# Altium PCB тройничок.PcbDoc (part 2 of 5) (continued)
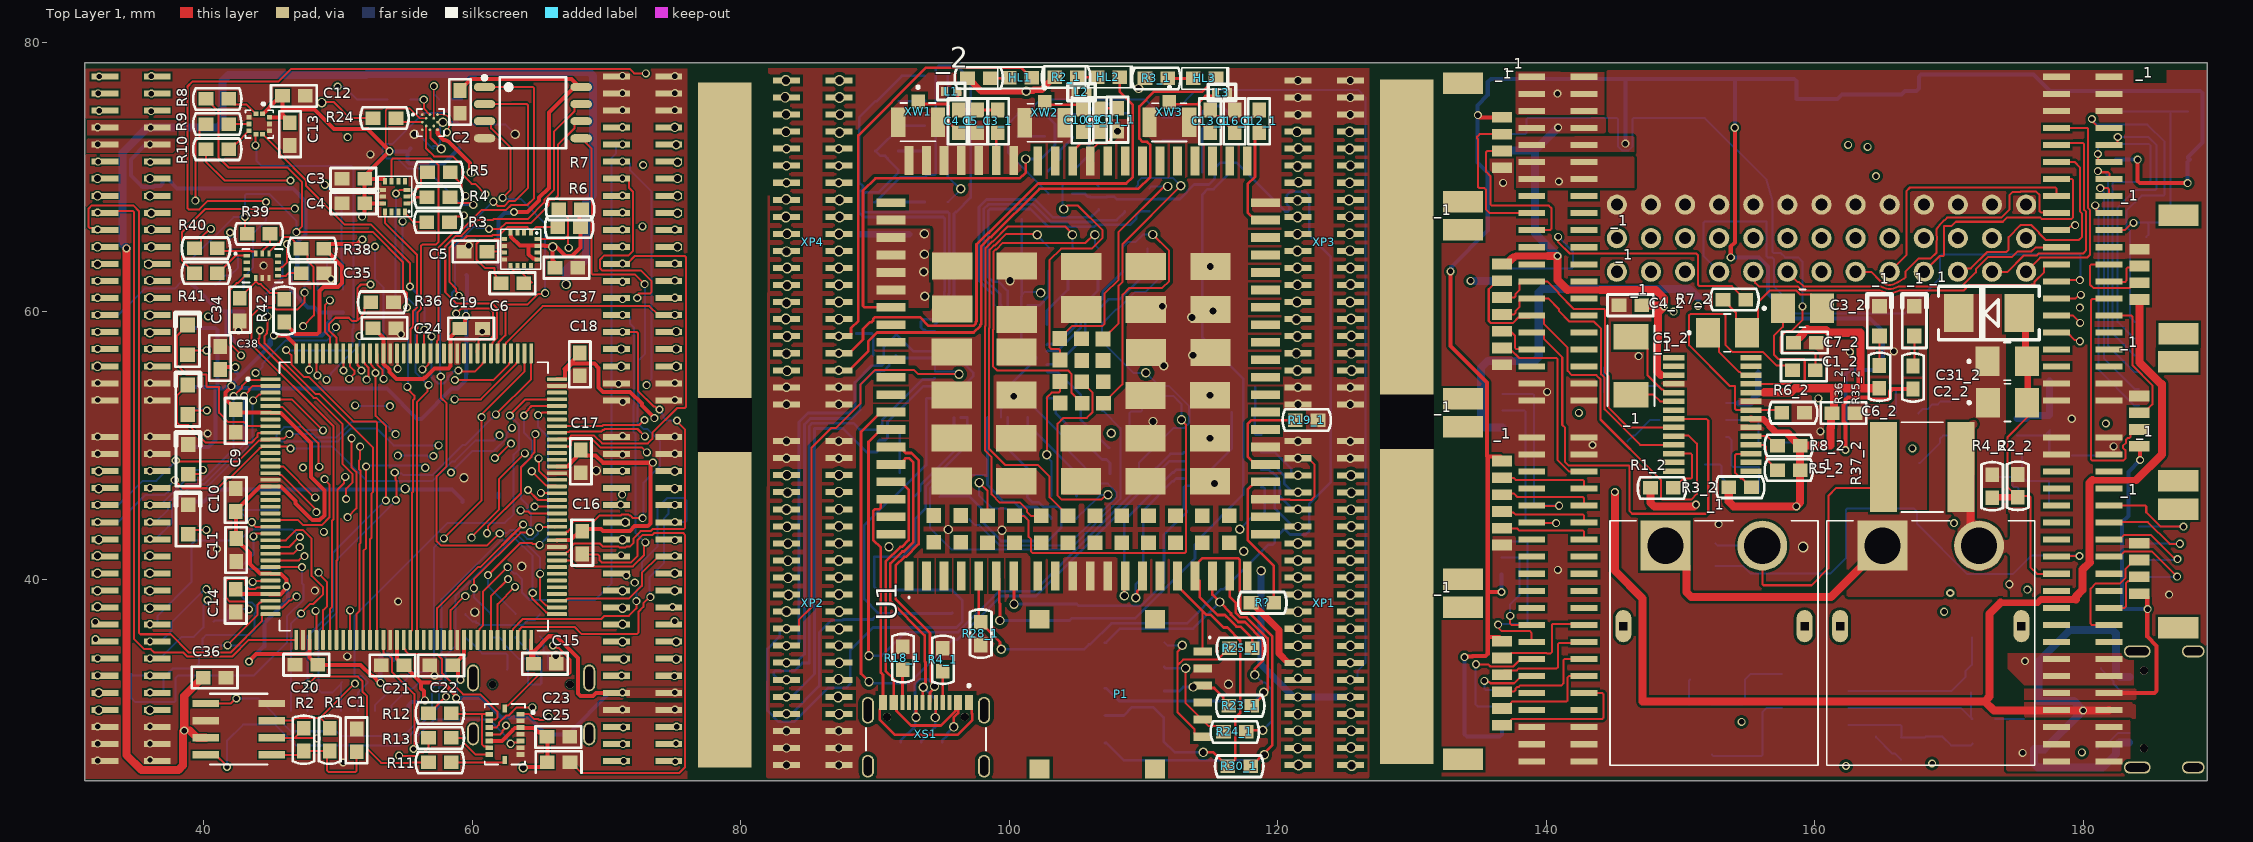
[diagram p0: Top Layer 1 view]
## Nets (pads, with @x,y where several pads share a name; then routed paths per layer and width w, separated by ;. In a path a pad name is that pad's centre, name@x,y a point inside that pad or via, vN(x,y) a via of type N, cw(c..) or ccw(c..) an arc to the next point about the centre after c; other vN are vias at no path point) (continued)
NetD3_A3: D3.A3 R22.2 | length 2.3
  Top Layer 1 w0.15: v1(56.4,75.775) 56.4,75.116 D3.A3@56.858,74.658
  Bottom Layer 1 w0.15: R22.2@55.4,75.775 v1(56.4,75.775)
NetD3_A5: D3.A5 U4.55 | length 42.7
  Top Layer 1 w0.125: D3.A5@57.425,74.675 57.464,74.675 57.858,74.652 57.86,74.652 cw(c57.825,74.09) 58.346,73.877 v1(58.126,73.342)
  Top Layer 1 w0.15: U4.55@55.9,35.53 55.9,53.253 56.674,54.027 56.674,54.44 v1(56.76,54.527)
  Bottom Layer w0.15: v1(54.824,66.701) 54.901,66.701 56.438,68.238 56.438,71.977 57.069,72.608 57.392,72.608 v1(58.126,73.342)
  Bottom Layer 1 w0.15: v1(54.824,66.701) 54.824,61.369 55.768,60.425 55.768,55.468 56.709,54.527 v1(56.76,54.527)
NetD3_B4: D3.B4 R23.2 | length 3.6
  Top Layer 1 w0.125: D3.B4@57.15,74.375 v1@57.15,76.8
  Bottom Layer 1 w0.15: v1(57.155,76.774) 57.155,76.195 R23.2@57.55,75.8
NetD3_C1: D3.C1 R24.1 | length 2.1
  Top Layer 1 w0.15: R24.1@54.325,74.4 54.633,74.092 D3.C1@56.292,74.092
NetD3_D2: D3.D2 U4.89 | length 35.3
  Top Layer 1 w0.15: D3.D2@56.583,73.792 56.583,72.133 57.178,71.538 58.562,71.538 59.261,70.839 59.261,70.208 59.967,69.502 60.219,69.502 v1(60.991,68.73) ; v1(64.661,45.468) 64.679,45.45 U4.89@66.32,45.45
  Top Layer w0.15: v1(60.991,68.73) 61.06,68.661 61.06,67.082 61.785,66.357 61.785,58.79 60.928,57.934 60.928,52.648 61.241,52.336 61.241,50.629 61.175,50.564 61.175,48.858 62.827,47.206 62.827,46.865 63.824,45.868 64.261,45.868 v1(64.661,45.468)
NetD4_1: D4.1 R41.2 | length 2.7
  Top Layer 1 w0.15: R41.2@41.025,62.85 41.075,62.85 42.375,64.15 D4.1@43.212,64.15
NetD4_4: D4.4 U4.88 | length 42.3
  Top Layer 1 w0.15: v1@42.775,56.8 41.975,57.6 41.975,61.618 42.466,62.109 42.559,62.109 43.1,62.65 D4.4@43.212,62.65 ; v1(44.2,58.575) 44.166,58.541 44.166,58.05 44.091,57.975 44.091,57.658 48.196,53.553 48.397,53.553 50.35,51.6 50.35,48.617 51.075,47.892 51.075,47.249 50.616,46.79 v1(50.616,46.025) ; v1(63.611,45.175) 63.697,45.089 63.987,45.089 63.993,45.082 64.199,45.082 64.339,44.943 64.983,44.943 64.991,44.95 U4.88@66.32,44.95
  Top Layer w0.15: v1(42.788,56.727) 44.114,58.053 44.114,58.489 v1(44.2,58.575)
  Bottom Layer w0.15: v1(50.616,46.025) 50.702,46.111 51.076,46.111 51.783,46.818 54.229,46.818 54.787,47.375 56.242,47.375 58.274,45.343 61.758,45.343 61.926,45.175 v1(63.611,45.175)
NetD4_9: D4.9 U4.132 | length 28.1
  Top Layer 1 w0.15: D4.9@45.537,63.15 45.65,63.15 45.7,63.2 45.7,63.212 45.788,63.3 45.868,63.3 46.22,63.651 v1(46.22,65.005) ; U4.132@52.9,56.87 52.965,56.805 52.965,55.996 53.339,55.622 53.339,54.961 v1@53.35,54.95
  Bottom Layer w0.15: v1(46.22,65.005) 48.475,62.75 48.475,60.3 48.575,60.2 49.812,60.2 50.094,60.481 50.094,63.394 51.45,64.75 v1@52.75,64.75
  Bottom Layer 1 w0.15: v1(52.763,64.827) 52.763,62.415 53.416,61.762 53.416,54.991 v1@53.375,54.95
  other v1: 53.416,54.968
NetD4_12: D4.12 R38.1 U4.22 | length 31.1
  Top Layer 1 w0.15: D4.12@44.875,64.313 44.875,64.425 45.5,65.05 45.593,65.05 45.725,65.182 45.725,65.253 46.002,65.53 46.437,65.53 46.775,65.192 46.775,65.1 47.2,64.675 R38.1@47.25,64.675 ; U4.22@44.98,44.45 47.034,44.45 47.409,44.075 48.804,44.075 49.375,44.646 49.375,47.117 49.016,47.476 v1(49.016,47.5) ; R38.1@47.288,64.712 47.725,64.275 47.725,63.768 48.2,63.293 48.2,62.183 48.216,62.167 48.216,59.706 v1(47.41,58.9)
  Top Layer w0.15: v1@47.4,58.825 46.85,58.275 46.85,52.599 47.001,52.448 47.001,49.145 46.875,49.019 46.875,48.158 47.533,47.5 v1(49.016,47.5)
NetD4_13: D4.13 R39.2 | length 1.7
  Top Layer 1 w0.15: D4.13@44.375,64.313 44.425,64.363 44.425,64.543 44.728,64.847 44.747,64.847 44.95,65.05 R39.2@44.95,65.775
NetD4_14: D4.14 R40.2 | length 3.1
  Top Layer 1 w0.15: R40.2@41.025,64.7 41.225,64.5 43.543,64.5 43.568,64.475 43.825,64.475 43.875,64.425 D4.14@43.875,64.313
NetD_1: D.1 R31.2 U4.101 | length 63.2
  Top Layer 1 w0.15: U4.101@66.32,51.45 69.677,51.45 69.765,51.538 72.463,51.538 v1(72.838,51.913)
  Top Layer w0.15: v1@72.725,70.95 73.825,69.85 73.825,53.996 73.091,53.261 73.091,52.288 72.838,52.034 v1(72.838,51.913)
  Bottom Layer w0.15: v1@49.05,69.475 49.098,69.427 51.848,69.427 52.3,68.975 52.3,67.65 53.9,66.05 54.915,66.05 57.306,68.441 57.306,68.532 59.697,70.923 65.423,70.923 65.696,70.65 71.422,70.65 71.674,70.902 v1(72.738,70.902)
  Bottom Layer 1 w0.15: v1@49.025,69.45 50.275,68.2 D.1@50.275,63.7 50.375,63.6 R31.2@50.375,61.625
  other v1: 49.038,69.427
NetD_2: D.2 R32.2 | length 2.4
  Bottom Layer 1 w0.15: R32.2@48.475,61.6 48.475,62.55 49.175,63.25 D.2@49.175,63.7
NetD_3: D.3 U4.42 | length 34.5
  Top Layer 1 w0.15: v1(47.525,61.399) 47.525,60.675 46.975,60.125 45.407,60.125 45.257,60.275 44.179,60.275 43.55,59.646 43.55,57.553 49.675,51.428 49.675,44.522 49.575,44.422 49.575,37.99 49.4,37.815 U4.42@49.4,35.53
  Bottom Layer 1 w0.15: v1(47.525,61.399) 47.525,62.018 47.8,62.293 47.8,63.425 D.3@48.075,63.7
NetD_5: D.5 U4.48 | length 32.5
  Top Layer 1 w0.15: v1(44.772,59.625) 44.772,58.626 44.725,58.58 44.725,58.358 44.55,58.183 44.55,57.623 48.32,53.853 48.63,53.853 52.628,49.854 52.628,46.564 52.491,46.427 52.491,43.136 52.4,43.046 U4.48@52.4,35.53
  Bottom Layer 1 w0.15: v1(44.772,59.625) 44.772,60.393 44.616,60.549 44.616,61.291 45.875,62.55 D.5@45.875,63.7
NetD_7: D.7 R29.2 U4.98 | length 94.1
  Top Layer 1 w0.15: v1(44.65,68.15) 44.573,68.227 40.302,68.227 39.676,67.6 38.888,67.6 38.8,67.688 38.8,76.75 39.162,77.112 45.562,77.112 46.517,78.067 71.731,78.067 72.072,77.727 v1(72.938,77.727) ; U4.98@66.32,49.95 67.28,49.95 67.375,50.045 67.375,50.318 67.507,50.45 68.973,50.45 69.555,49.868 72.641,49.868 72.95,49.558 v1@72.95,49.475
  Top Layer w0.15: v1@73,77.7 74.483,76.217 74.483,50.96 v1(73.016,49.493)
  Bottom Layer 1 w0.15: R29.2@42.975,61.7 42.975,62.55 43.675,63.25 D.7@43.675,63.7 43.675,65.775 44.65,66.75 v1(44.65,68.15)
NetD_8: D.8 R30.2 U4.100 | length 64.9
  Top Layer 1 w0.15: U4.100@66.32,50.95 66.385,51.015 67.223,51.015 67.258,51.05 69.617,51.05 69.717,51.15 69.802,51.15 69.889,51.238 72.321,51.238 v1(72.866,50.693)
  Top Layer w0.15: v1(72.688,66.327) 72.688,64.188 72.3,63.8 72.3,61.802 72.825,61.277 72.825,57.726 72.313,57.214 72.313,51.246 72.833,50.725 v1@72.85,50.725
  Bottom Layer w0.15: v1(41.963,65.877) 46.144,65.877 46.693,66.425 52.117,66.425 52.792,65.75 57.499,65.75 58.86,67.111 58.86,68.46 58.997,68.597 58.997,68.825 59.305,69.133 59.533,69.133 60.325,69.925 70.442,69.925 70.987,69.38 71.202,69.38 72.75,67.832 72.75,66.475 v1@72.625,66.35
  Bottom Layer 1 w0.15: R30.2@40.85,61.95 40.9,61.95 41.625,62.675 42,62.675 42.575,63.25 D.8@42.575,63.7 42.575,64.15 41.95,64.775 v1@41.95,65.925
NetHL1_1: HL1.1@38.8,56.775 R26.1 | length 2.9
  Top Layer 1 w0.15: HL1.1@38.8,56.775 39.118,57.093 v1(40.216,57.093)
  Bottom Layer 1 w0.15: R26.1@38.775,57.075 v1@40.15,57.075
NetHL1_2: HL1.2@38.8,58.975 U4.8 | length 13.8
  Top Layer 1 w0.15: HL1.2@38.8,58.975 38.025,58.2 38.025,55.975 38.7,55.3 40.2,55.3 40.2,54.438 40.288,54.35 41.15,54.35 ; 41.175,54.35 41.15,54.35 ; U4.8@44.98,51.45 43.318,51.45 42.993,51.775 41.813,51.775 41.15,52.438 41.15,54.35
NetHL2_1: HL2.1@38.825,52.325 R27.1 | length 2.9
  Top Layer 1 w0.15: HL2.1@38.825,52.325 39.118,52.618 v1(40.241,52.618)
  Bottom Layer 1 w0.15: R27.1@38.825,52.675 40.1,52.675 v1@40.175,52.6
NetHL2_2: HL2.2@38.825,54.525 U4.9 | length 11.2
  Top Layer 1 w0.15: HL2.2@38.825,54.525 38,53.7 38,51.732 38.182,51.55 38.85,51.55 40.175,50.225 43.57,50.225 44,50.655 44,50.862 44.088,50.95 U4.9@44.98,50.95
NetHL3_1: HL3.1@38.85,47.875 R33.1 | length 2.3
  Top Layer 1 w0.15: HL3.1@38.85,47.875 39.625,47.875 v1(39.95,48.2)
  Bottom Layer 1 w0.15: R33.1@38.85,48.2 v1(39.95,48.2)
NetHL4_1: HL4.1@38.85,43.4 R35.1 | length 2.8
  Top Layer 1 w0.15: HL4.1@38.85,43.4 39.18,43.73 v1(40.203,43.73)
  Bottom Layer 1 w0.15: R35.1@38.85,43.725 40.125,43.725 v1@40.15,43.7
NetP_2: P.2 R19.1 | length 3.2
  Bottom Layer 1 w0.15: P.2@54,30.25 54,30.65 55.25,31.9 55.6,31.9 56.025,32.325 R19.1@56.025,32.375
NetP_3: P.3 R20.1 U4.110 XP1_1.31 XP1_2.31 | length 66.7
  Top Layer 1 w0.15: v1(57.891,43.093) 60.716,45.918 v1@60.716,52.325 ; v1@60.725,52.325 60.725,52.334 63.9,55.509 U4.110@63.9,56.87
  Bottom Layer w0.15: v1(32.105,58.475) 32.73,59.1 44.951,59.1 45.318,58.732 45.446,58.732 45.753,58.425 45.753,58.298 47.276,56.775 60.325,56.775 60.716,56.384 v1(60.716,52.118)
  Bottom Layer 1 w0.15: P.3@52.75,30.25 52.75,30.65 53.7,31.6 53.7,31.925 R20.1@54.125,32.35 54.85,32.35 55.141,32.641 55.141,32.859 55.432,33.15 56.708,33.15 57.175,33.618 57.175,42.425 v1@57.825,43.075
NetP_4: P.4 R21.1 U4.105 | length 34.9
  Top Layer 1 w0.15: v1@62.75,52.225 63.975,53.45 U4.105@66.32,53.45
  Bottom Layer 1 w0.15: P.4@51.5,30.25 51.5,31.6 52.225,32.325 R21.1@52.225,32.375 52.225,32.4 51.8,32.825 51.313,32.825 51.225,32.913 51.225,37.29 58.185,44.25 62.436,44.25 63.086,44.9 63.086,49.325 63.501,49.74 63.501,51.557 v1(62.816,52.243)
NetP_5: P.5 R25.1 U4.109 | length 38
  Top Layer 1 w0.15: v1(54.239,47.994) 54.291,47.943 54.291,47.469 54.366,47.394 54.366,45.993 v1(54.321,45.948) ; v1(61.766,52.325) 61.775,52.325 64.4,54.95 U4.109@64.4,56.87
  Bottom Layer 1 w0.15: P.5@50.25,30.25 50.25,32.325 R25.1@50.325,32.4 ; R25.1@50.25,32.275 49.575,31.6 48.795,31.6 48.575,31.82 48.575,36.22 49.946,37.592 49.946,41.531 54.321,45.906 v1(54.321,45.948) ; v1(54.239,47.994) 54.325,47.908 54.749,47.908 54.839,47.818 57.076,47.818 59.286,50.028 59.469,50.028 v1(61.766,52.325)
NetP_7: P.7 R5.2 R8.1 R11.1 R22.1 R39.1 U4.133 XP1_1.29 XP1_2.29 | length 132.4
  Top Layer 1 w0.15: R8.1@40.175,75.825 40.225,75.825 40.65,75.4 40.65,75.35 41.1,74.9 41.1,71.482 41.857,70.725 46.243,70.725 47.325,69.642 47.325,66.315 v1@46.95,65.94 ; v1(43.085,67.025) 43.085,65.99 R39.1@43.25,65.825 ; v1@46.95,65.9 52.625,65.9 54.85,63.675 54.85,61.633 55.15,61.333 v1(55.15,60.3) ; v1@47.75,32.2 48.35,32.8 51.492,32.8 51.834,32.459 51.834,31.678 52.175,31.337 52.175,27.425 53.225,26.375 55.296,26.375 55.321,26.4 R11.1@56.75,26.4 ; U4.133@52.4,56.87 52.465,56.805 52.465,56.052 52.575,55.942 52.575,55.902 52.814,55.663 v1@52.814,55.408 ; v1@52.814,55.403 52.814,52.222 53.591,51.446 53.591,45.936 v1(53.572,45.917) ; R5.2@58.375,70.35 58.425,70.35 58.85,69.925 58.85,69.826 59.2,69.475 59.2,69.028 59.5,68.729 v1@59.5,68.5
  Top Layer w0.15: v1(49.985,76.75) 53.325,73.41 53.325,71.708 56.858,68.175 59.102,68.175 59.551,67.726 ; v1(52.809,55.408) 52.814,55.413 52.814,57.967 v1@55.147,60.3 ; v1@55.148,60.302 56.823,61.977 ; 56.8,62 56.7,62 56.41,62.29 56.41,62.9 59.91,66.4 59.91,67.367 59.551,67.726 ; v1(59.522,68.608) 59.551,68.578 59.551,67.726
  Bottom Layer 1 w0.15: v1(32.105,59.745) 33.661,59.745 35.617,61.7 37.837,61.7 38.375,62.238 38.375,63.168 42.232,67.025 v1@42.96,67.025 ; v1(43.085,67.025) 43.085,68.637 43.173,68.725 44.925,68.725 46.91,66.74 v1(46.91,65.9) ; P.7@47.75,30.25 47.75,35.82 49.625,37.695 49.625,42 53.542,45.917 v1(53.572,45.917) ; v1(49.985,76.75) 50.035,76.7 50.51,76.7 51.435,75.775 R22.1@53.7,75.775
  other v1: 47.81,32.2
NetP_8: P.8 U4.25 | length 18
  Top Layer 1 w0.15: U4.25@44.98,42.95 46.128,42.95 46.895,43.718 47.383,43.718 48.041,43.06 48.041,40.302 48.9,39.442 48.9,38.933 48.185,38.218 47.943,38.218 v1@47.2,37.475
  Bottom Layer 1 w0.15: P.8@46.5,30.25 46.5,36.727 v1(47.266,37.493)
NetR3_1: R3.1 U2.1@55,67.4 | length 2
  Top Layer 1 w0.15: U2.1@55,67.4 55,67.3 55.65,66.65 R3.1@56.625,66.65
NetR3_2: R3.2 R10.1 R12.2 R24.2 R41.1 U4.134 XP1_1.25 XP1_2.25 | length 120.8
  Top Layer 1 w0.15: R41.1@39.325,62.85 39.275,62.85 38.85,63.275 38.85,63.325 38.375,63.8 38.375,65.875 40.125,67.625 44.867,67.625 44.892,67.65 v1(46.8,67.65) ; R10.1@40.175,72.075 40.175,71.15 41.575,69.75 v1(46.475,69.75) ; v2(48.791,75.552) 48.827,75.588 49.712,75.588 50.9,74.4 R24.2@52.625,74.4 ; U4.134@51.9,56.87 51.9,56.275 52.035,56.14 52.035,56.057 52.275,55.817 52.275,55.1 v1@52.075,54.9 ; R12.2@56.75,30.075 56.8,30.075 58,31.275 v1@58,31.3 ; R3.2@58.325,66.65 58.75,67.075 59.25,67.075 v1@59.325,67.15
  Top Layer w0.15: v1(32.105,62.275) 32.755,61.625 47.009,61.625 47.308,61.924 47.742,61.924 48.041,61.625 50.675,61.625 ; v1(46.475,69.75) 49.925,66.3 ; v1(46.8,67.65) 48.15,66.3 49.925,66.3 ; v2@48.8,75.6 48.791,75.591 v2(48.791,75.552) 48.791,74.919 v1(50.735,72.975) 50.735,65.5 50.735,61.625 50.735,61.515 52.25,60 ; 50.725,61.65 50.725,65.5 49.925,66.3 ; v1@52.125,54.85 52.208,54.85 53.047,54.011 53.047,36.302 57.284,32.065 57.295,32.065 v1(58.06,31.3) ; v1@52.175,54.925 52.227,54.977 52.227,55.334 52.275,55.383 52.275,60 ; 52.275,60.04 v1(59.385,67.15)
  other v1: 52.141,54.918
NetR4_1: R4.1 U2.14@55.15,68.05 | length 1.7
  Top Layer 1 w0.15: U2.14@55.15,68.05 55.225,68.125 55.5,68.125 55.875,68.5 R4.1@56.65,68.5
NetR4_2: R4.2 R9.1 R13.1 R23.1 R40.1 U4.135 XP1_1.27 XP1_2.27 | length 124.2
  Top Layer 1 w0.15: R40.1@39.325,64.7 39.375,64.7 39.8,65.125 39.8,65.475 v1@40.475,66.15 ; v1@39.425,68.15 39.4,68.175 39.4,72.668 39.7,72.969 39.7,73.525 40.125,73.95 R9.1@40.175,73.95 ; U4.135@51.4,56.87 51.465,56.805 51.465,56.007 51.75,55.722 v1(51.75,55.6) ; v1@54.5,26.875 55.857,26.875 56.107,27.125 56.375,27.125 56.75,27.5 R13.1@56.75,28.225 ; R4.2@58.35,68.5 58.775,68.075 59.823,68.075 59.963,67.935 v1(60.085,67.935)
  Top Layer w0.15: v1(32.105,61.015) 32.769,60.35 ; v1(39.385,68.25) 40.535,67.1 ; v1@40.575,66.2 40.535,66.24 40.535,67.1 ; v1(51.285,53) 51.285,53.984 51.35,54.049 51.35,54.733 ; 51.35,54.825 51.35,54.733 ; 51.375,54.825 51.375,55.225 v1@51.725,55.575 ; v1@51.725,55.625 47,60.35 32.769,60.35 ; v1(53.889,52.937) 55.037,52.937 55.768,53.668 55.768,58.712 60.278,63.222 ; v1(54.56,26.9) 50.025,31.435 50.025,53.408 51.35,54.733 ; v1(60.085,67.935) 60.171,67.849 60.171,67.531 60.285,67.417 60.285,63.222 ; 32.769,60.35 31.588,60.35 31.5,60.438 31.5,62.812 31.588,62.9 36.335,62.9 40.535,67.1
  Bottom Layer 1 w0.15: v1@51.225,53 51.256,52.969 53.858,52.969 v1(53.889,52.937) ; R23.1@59.25,75.8 58.434,75.8 58.325,75.691 58.325,75.207 57.886,74.768 56.368,74.768 54.05,72.45 53.633,72.45 53.325,72.142 53.325,71.708 53.633,71.4 54.42,71.4 55.195,70.625 56.541,70.625 59.231,67.935 v1(60.085,67.935)
  other v1: 40.535,66.15
NetR5_1: R5.1 U2.13@55.15,68.55 | length 2.6
  Top Layer 1 w0.15: U2.13@55.15,68.55 55.225,68.625 55.443,68.625 55.822,69.003 55.822,69.04 56.2,69.418 56.2,69.925 56.625,70.35 R5.1@56.675,70.35
NetR6_1: R6.1 U3.16@64.375,65.85 U4.10 XP3_1.9 XP3_2.9 | length 50.8
  Top Layer 1 w0.15: v1(37.924,48.894) 37.993,48.825 42.594,48.825 44.154,50.385 U4.10@44.915,50.385 ; U4.10@44.95,50.475 44.99,50.515 45.978,50.515 46.313,50.85 v1(46.385,50.85) ; v1(59.025,61.15) 59.025,61.272 58.802,61.495 58.802,61.698 58.3,62.2 58.3,64.718 58.907,65.325 59.331,65.325 59.621,65.615 61.477,65.615 61.538,65.675 62.032,65.675 62.632,66.275 64.118,66.275 64.3,66.093 64.3,65.925 U3.16@64.375,65.85 64.375,65.9 64.75,66.275 R6.1@66.375,66.275
  Top Layer w0.15: v1@54.25,50.85 58.191,54.791 58.191,60.239 59.025,61.073 v1(59.025,61.15)
  Bottom Layer 1 w0.15: v1(32.105,45.585) 33.661,45.585 35.456,47.38 36.473,47.38 37.924,48.831 v1(37.924,48.894) ; v1@46.325,50.85 48.154,50.85 48.39,50.613 49.875,50.613 51.037,51.775 53.385,51.775 v1(54.31,50.85)
NetR7_1: R7.1 U3.1@64.85,65.375 U4.11 XP3_1.11 XP3_2.11 | length 57.6
  Top Layer 1 w0.15: v1(37.85,47.425) 38.45,46.825 41.057,46.825 41.807,47.575 41.932,47.575 44.172,49.815 44.25,49.815 44.385,49.95 U4.11@44.98,49.95 ; U4.11@45.012,49.963 45.025,49.95 46.193,49.95 46.355,49.788 v1(46.476,49.788) ; U3.1@64.85,65.375 66.843,65.375 67.15,65.682 ; R7.1@66.4,67.6 R7.1@66.45,67.6 66.5,67.6 67.15,66.95 67.15,65.682 ; v1@67.2,64.7 67.15,64.75 67.15,65.682
  Top Layer w0.15: v1(62.041,50.776) 62.041,51.858 62.291,52.108 62.291,60.26 64.558,62.527 65.002,62.527 v1(67.2,64.725)
  Bottom Layer 1 w0.15: v1(32.105,44.315) 33.661,44.315 35.672,46.325 37.109,46.325 37.436,46.652 37.436,47.011 v1(37.85,47.425) ; v1(46.476,49.788) 48.051,49.788 48.213,49.95 49.575,49.95 52.15,47.375 57.058,47.375 58.516,48.834 58.708,48.834 60.249,50.375 61.593,50.375 61.994,50.776 v1(62.041,50.776)
NetR14_2: R14.2 TYPE-C1.A5 | length 2.7
  Bottom Layer 1 w0.15: R14.2@65.075,35.775 65.3,35.55 65.3,34.773 65.65,34.422 65.65,33.425 TYPE-C1.A5@65.725,33.35
NetR15_1: R15.1 TYPE-C1.A6 TYPE-C1.B6 | length 5.8
  Bottom Layer 1 w0.15: R15.1@61.375,35.725 62.025,35.725 62.328,35.422 62.328,35.278 63.507,34.1 63.688,34.1 ; TYPE-C1.B6@63.65,33.275 63.65,34.062 63.688,34.1 ; 63.75,34.1 63.688,34.1 ; 63.75,34.15 64.612,34.15 64.7,34.062 64.7,33.375 TYPE-C1.A6@64.625,33.3
NetR15_2: R15.2 U4.104 | length 21.2
  Top Layer 1 w0.15: v1(60.125,39.375) 60.125,40.032 63.618,43.525 64.258,43.525 v1(64.312,43.579) ; v1(63.866,52.243) 63.866,52.34 64.188,52.662 64.188,52.713 64.425,52.95 U4.104@66.32,52.95
  Bottom Layer 1 w0.15: v1(60.125,39.375) 60.125,38.725 61.375,37.475 R15.2@61.375,37.425 ; v1@63.866,52.209 63.866,50.952 64.449,50.369 64.449,49.203 63.641,48.395 63.641,46.055 64.136,45.56 64.136,45.25 64.391,44.996 64.391,44.075 64.336,44.02 64.336,43.604 v1(64.312,43.579)
NetR16_1: R16.1 TYPE-C1.A7 TYPE-C1.B7 | length 6.4
  Bottom Layer 1 w0.15: R16.1@63.225,35.75 63.225,35.7 64.269,34.656 64.531,34.656 65.15,34.036 TYPE-C1.B7@65.15,33.35 ; TYPE-C1.A7@64.15,33.275 64.15,32.288 64.238,32.2 65.062,32.2 65.15,32.288 TYPE-C1.B7@65.15,33.275
NetR16_2: R16.2 U4.103 | length 20.3
  Top Layer 1 w0.15: v1(61.185,40.35) 63.566,42.731 64.418,42.731 64.437,42.75 64.511,42.676 64.967,42.676 v1(65.036,42.606) ; v1(64.916,52.268) 65.038,52.268 65.22,52.45 U4.103@66.32,52.45
  Bottom Layer 1 w0.15: v1@61.2,40.35 61.2,39.525 63.225,37.5 R16.2@63.225,37.45 ; v1(64.916,52.268) 64.916,51.387 65.651,50.651 65.651,43.221 v1(65.036,42.606)
NetR17_1: R17.1 TYPE-C1.B5 | length 4.8
  Bottom Layer 1 w0.15: R17.1@59.525,35.75 59.525,35.7 59.95,35.275 60,35.275 60.75,34.525 62.512,34.525 62.65,34.387 62.65,33.375 TYPE-C1.B5@62.6,33.325
NetR28_1: R28.1 R34.2 U4.34 | length 7.3
  Top Layer 1 w0.15: v1@41.725,35.1 44.02,37.395 44.02,38.163 44.172,38.315 44.25,38.315 44.385,38.45 U4.34@44.98,38.45
  Bottom Layer 1 w0.15: R34.2@40.7,35.025 40.793,35.118 v1(41.791,35.118) 42.782,35.118 R28.1@42.85,35.05
NetR36_1: R36.1 U4.138 XP2_1.20 XP2_2.20 | length 34.5
  Top Layer 1 w0.15: U4.138@49.9,56.87 49.9,58.033 49.325,58.608 49.325,59.042 49.808,59.525 50.817,59.525 51.077,59.266 51.383,59.266 51.471,59.354 ; v1@52.375,62 51.725,62 51.471,61.746 51.471,59.354 ; R36.1@52.45,60.675 52.4,60.675 51.975,60.25 51.975,59.858 51.471,59.354
  Bottom Layer w0.15: v1@52.375,62 54.029,63.654 63.257,63.654 63.302,63.7 64.087,63.7 65.762,65.375 71.228,65.375 71.553,65.7 74.71,65.7 v1(75.105,66.095)
  other v1: 52.435,62
NetR37_1: R37.1 U4.31 XP3_1.32 XP3_2.32 | length 17.2
  Top Layer 1 w0.15: v1(43.65,39.849) 43.7,39.9 44.93,39.9 U4.31@44.98,39.95
  Bottom Layer 1 w0.15: XP3_2.32@36,31.7 36.1,31.6 36.912,31.6 37,31.688 37,32.7 37.7,33.4 39.3,33.4 39.65,33.75 39.65,34.307 39.925,34.582 39.925,35.618 40.203,35.897 43.422,35.897 43.775,36.25 43.775,37.468 43.893,37.586 43.893,38.017 43.586,38.325 43.275,38.325 42.85,38.75 R37.1@42.9,38.75 ; R37.1@42.8,38.85 43.464,39.514 43.464,39.542 43.65,39.728 v1(43.65,39.849)
  other v1: 36.005,31.615
NetTYPE-C1_2: TYPE-C1.2 TYPE-C1.15 VD1.1
NetU1_1: U1.1@60.925,76.705 U4.123 | length 28.5
  Top Layer 1 w0.15: U4.123@57.4,56.87 57.4,57.799 57.507,57.906 57.507,64.774 58.658,65.925 59.083,65.925 60.718,67.56 62.542,67.56 62.907,67.925 64.12,67.925 64.625,68.43 64.625,76.617 64.537,76.705 U1.1@60.925,76.705
NetU1_2: U1.2@60.925,75.435 U4.86 | length 50.7
  Top Layer 1 w0.15: v1(57.666,55.15) 57.685,55.131 57.685,53.566 58.1,53.151 58.1,48.464 57.366,47.73 57.366,42.875 57.673,42.568 61.118,42.568 v1@62,43.45 ; U1.2@60.925,75.435 62.91,75.435 62.925,75.45 64.062,75.45 64.15,75.362 64.15,69.175 63.2,68.225 62.782,68.225 62.417,67.86 61.909,67.86 61.605,68.164 v1(61.585,68.164) ; v1(64.993,43.893) 65.021,43.921 66.119,43.921 66.14,43.9 66.255,44.015 U4.86@66.32,43.95
  Bottom Layer 1 w0.15: v1(57.666,55.15) 57.625,55.191 57.625,64.44 59.462,66.277 59.659,66.277 61.547,68.164 v1(61.585,68.164) ; v1(62.06,43.45) 62.088,43.478 62.585,43.478 62.817,43.71 63.439,43.71 64.094,43.054 64.529,43.054 64.907,43.432 64.907,43.807 v1(64.993,43.893)
NetU1_3: U1.3@60.925,74.165 U4.114 | length 23.2
  Top Layer 1 w0.15: U1.3@60.925,74.165 61.215,74.165 61.422,73.957 61.422,73.64 62.85,72.212 62.85,69.035 v1(62.274,68.459) ; U4.114@61.9,56.87 61.965,56.935 61.965,57.698 62.475,58.208 62.475,60.412 62.563,60.5 64.116,60.5 64.916,61.3 65.378,61.3 v1(65.441,61.363)
  Bottom Layer 1 w0.15: v1(62.274,68.459) 62.349,68.385 63.615,68.385 65.425,66.575 65.425,62.408 65.441,62.392 v1(65.441,61.363)
NetU1_5: U1.5@68.125,72.895 U4.85 | length 41.1
  Top Layer 1 w0.15: U4.85@66.275,43.5 66.965,43.5 67.05,43.585 67.128,43.585 67.367,43.825 67.367,44.16 67.607,44.4 69.097,44.4 69.497,44.8 71.087,44.8 71.162,44.875 71.638,44.875 71.713,44.8 71.783,44.8 71.983,44.6 v1(72.7,44.6) ; U1.5@68.125,72.895 68.9,72.12 68.9,68.218 68.925,68.193 68.925,67.007 68.9,66.982 68.9,62.818 68.988,62.73 72.145,62.73 v1(72.85,62.025)
  Bottom Layer 1 w0.15: v1(72.7,44.6) 72.775,44.675 72.775,47.255 73.99,48.469 73.99,50.311 73.073,51.228 72.78,51.228 72.313,51.695 72.313,52.865 72.375,52.928 72.375,56.326 72.885,56.836 72.885,61.99 v1(72.85,62.025)
NetU1_6: U1.6@68.125,74.165 U4.117 | length 28.3
  Top Layer 1 w0.15: v1(58.813,59.825) 59.213,60.225 61.312,60.225 61.55,59.987 61.55,58.132 61.318,57.9 60.588,57.9 60.465,57.777 60.465,57.165 U4.117@60.4,57.1 ; U4.117@60.335,57.1 60.335,56.935 U4.117@60.4,56.87 ; v1(61.26,66.14) 62.072,66.14 62.508,66.575 64.375,66.575 65.675,67.875 65.675,68.193 65.807,68.325 66.125,68.325 66.394,68.594 66.394,72.407 67.628,73.64 67.628,73.957 67.835,74.165 U1.6@68.125,74.165
  Bottom Layer 1 w0.15: v1(58.813,59.825) 58.726,59.911 58.726,60.706 58.5,60.933 58.5,61.367 58.726,61.594 58.726,64.92 60.082,66.275 60.274,66.275 60.349,66.2 61.2,66.2 v1(61.26,66.14)
NetU1_7: U1.7@68.125,75.435 U4.115 | length 28.7
  Top Layer 1 w0.15: U4.115@61.4,56.87 61.4,57.465 61.535,57.6 61.535,57.693 61.85,58.008 61.85,60.25 61.5,60.6 58.833,60.6 58,61.433 58,64.842 58.783,65.625 59.207,65.625 60.382,66.8 61.525,66.8 61.6,66.875 64.13,66.875 65.375,68.12 65.375,68.317 66.094,69.037 66.094,73.377 67.628,74.91 67.628,75.227 67.835,75.435 U1.7@68.125,75.435
NetU2_4: U2.4@53.5,67.4 U4.127 | length 11.7
  Top Layer 1 w0.15: U2.4@53.5,67.4 53.525,67.375 53.525,66.575 55.9,64.2 55.9,60.308 55.6,60.008 55.6,58.849 55.4,58.649 U4.127@55.4,56.87
NetU2_9: U2.9@54,69.7 U4.126 | length 20.6
  Top Layer 1 w0.15: U2.9@54,69.7 54,71.287 54.088,71.375 56.917,71.375 57.158,71.134 57.259,71.134 57.5,70.893 57.5,65.191 57.284,64.975 56.288,64.975 56.2,64.887 56.2,60.183 55.916,59.899 55.916,58.74 55.9,58.724 U4.126@55.9,56.87
NetU2_12: U2.12@55.15,69.05 U4.54 | length 34.8
  Top Layer 1 w0.15: v1@54.375,68.8 54.625,69.05 U2.12@55.15,69.05 ; v1(55.175,54.375) 55.175,54.253 55.7,53.728 55.7,53.477 55.6,53.377 55.6,46.562 55.535,46.497 55.535,36.26 55.4,36.125 U4.54@55.4,35.53
  Bottom Layer 1 w0.15: v1@54.335,68.74 54.335,67.543 54.299,67.507 54.299,60.409 55.225,59.483 55.225,54.425 v1(55.175,54.375)
  other v1: 54.335,68.775
NetU4_1: U4.1 XP3_1.10 XP3_2.10 | length 15.3
  Top Layer 1 w0.15: v1(42.241,53.7) 42.869,54.328 42.869,54.469 43.285,54.885 44.167,54.885 ; 44.167,54.885 44.915,54.885 U4.1@44.98,54.95
  Bottom Layer 1 w0.15: v1(36.005,45.585) 36.793,45.585 38.633,47.425 39.917,47.425 42.241,49.748 v1(42.241,53.7)
NetU4_2: U4.2 XP3_1.12 XP3_2.12 | length 15.6
  Top Layer 1 w0.15: v1(43.015,53.685) 43.015,53.706 43.401,54.092 43.401,54.201 43.65,54.45 U4.2@44.98,54.45
  Bottom Layer 1 w0.15: v1(36.005,44.315) 36.45,44.315 37.354,45.219 37.354,45.721 38.758,47.125 40.042,47.125 43.016,50.099 v1(43.015,53.685)
NetU4_3: U4.3 XP3_1.14 XP3_2.14 | length 16
  Top Layer 1 w0.15: v1(43.694,53.367) 44.142,53.815 44.25,53.815 44.385,53.95 U4.3@44.98,53.95
  Bottom Layer 1 w0.15: v1(36.005,43.045) 36.45,43.045 37.654,44.249 37.654,45.597 38.882,46.825 40.166,46.825 43.641,50.3 43.641,53.314 v1(43.694,53.367)
NetU4_4: U4.4 XP4_1.5 XP4_2.5 | length 40.2
  Top Layer 1 w0.15: U4.4@44.98,53.45 46.579,53.45 v1(48.891,51.138)
  Bottom Layer w0.15: v1@57.35,50 57.143,50 56.59,49.447 56.59,49.013 59.602,46 64.871,46 64.909,45.962 69.038,45.962 v1(71.2,48.125)
  Bottom Layer 1 w0.15: v1@48.9,51.125 48.875,51.125 48.85,51.1 48.8,51.15 47.575,51.15 47.35,51.375 46,51.375 45.412,50.787 45.412,50.663 45.762,50.313 50,50.313 50.961,51.275 52.906,51.275 54.156,50.025 v1(57.51,50.025)